# Altium PCB F4_PCB.PcbDoc (part 1 of 2) (continued)
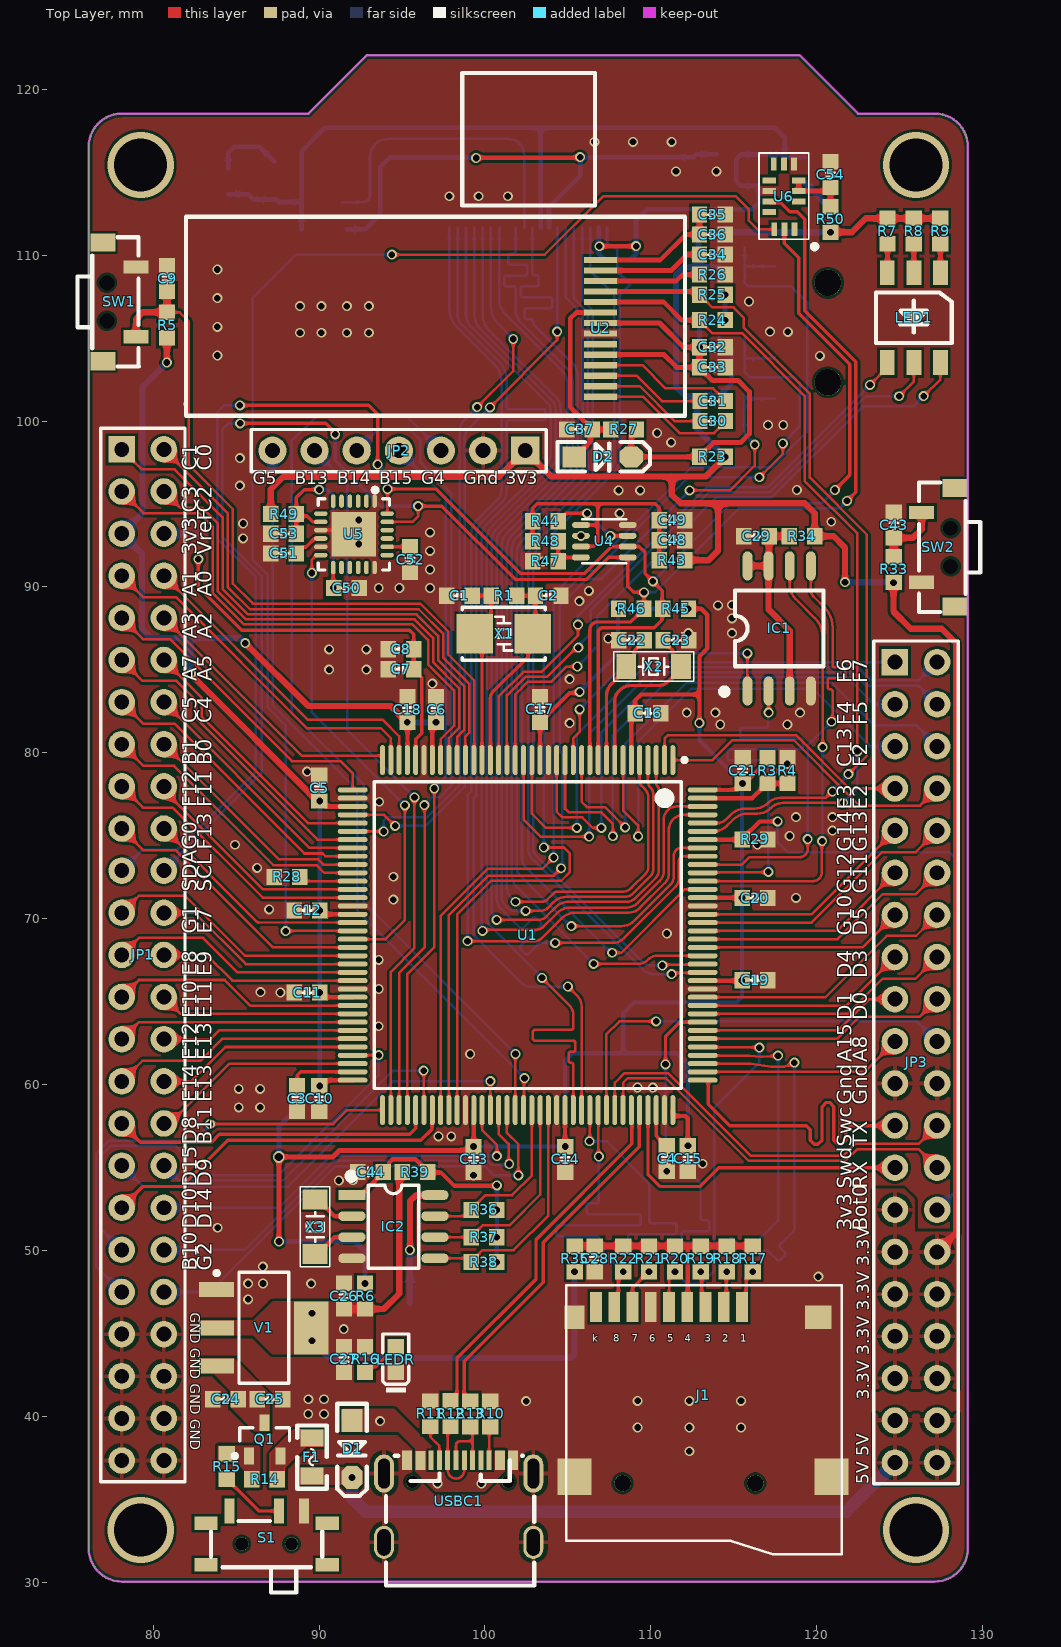
[diagram p0: Top Layer view]
## Footprints (in the part's own frame and the unit in brackets; to place one, negate y for a bottom-side part, rotate by r counter-clockwise, add the part's x,y. Pads: shape width x height; smd on the part's side, far side on the other; paste and mask are expansions set on the pad) (continued)
  silkscreen extent -10.67,-9.25 9.25,9.58, body extent -10,-10 10,10, height 1.6
"TSW 3*6*4.3-S-W" [mm] "侧立贴片3*6*4.3          淘宝ID:黄晶宝石"
  rect 1.1x1.5 smd: 0(-3.575,-0.25) 0(3.575,-0.25)
  round 0 hole 0.9: 0(-1.15,0) 0(1.15,0)
  rect 0.8x1.5 smd: 1(2.1,1.75) 2(-2.1,1.75)
  silkscreen extent -3.9,-1.78 3.9,1.91, body extent -3.9,-1.79 3.9,1.91, height 3.51
USB-C-SMD_TYPE-C-USB-5 [mm]
  oval 1.2x2 hole 0.8 slot 1.6 at 90 deg: 0(-4.5,-2.475) 0(4.5,-2.475)
  oval 1.2x2.3 hole 0.7 slot 1.8 at 90 deg: 0(-4.5,1.675) 0(4.5,1.675)
  rect 0.3x1.15 smd: A1(-3.263,2.473) A4(-2.462,2.471) A5(-1.162,2.475) A6(-0.162,2.475) A7(0.337,2.473) A9(2.638,2.475) A12(3.438,2.475) B1(3.138,2.475) B4(2.337,2.475) B5(1.838,2.475) B6(0.838,2.475) B7(-0.663,2.473) B9(-2.162,2.471) B12(-2.963,2.473)
  rect 0.3x1.148 smd: A8(-1.663,2.475) B8(1.337,2.475)
  round 0.75 hole 0.75 unplated: ""(-2.803,1.175) ""(2.978,1.175)
  silkscreen extent -4.38,-5.08 4.56,2.75, body extent -4.34,-5.14 4.6,2.76, height 3.25

## Part data
C1 C2 C3 C4 C5 C6 C7 C8 C9 C10 C11 C12 C13 C14 C15 C16 C17 C18 C19 C20 C21 C22 C23 C24 C25 C26 C27 C28 C29 C30 C31 C32 C33 C34 C35 C36 C37 C38 C39 C40 C41 C42 C43 C44 C45 C46 C47 C48 C49 C50 C51 C52 C53 C54: library part C, "贴片电容", BOM名称=无极性贴片电容, 封装库来自淘宝卖家ID：黄晶宝石=其他店铺购入均为盗版假冒封装库, 联系卖家，免费查找封装=唯一出售店铺网址https://shop463601444.taobao.com
CR1: library part CR-3V, "微型电池", BOM名称=微型电池, 联系卖家，免费查找封装=唯一出售店铺网址https://shop463601444.taobao.com
D1: "肖特基二极管", BOM名称=肖特基二极管, 属性=40V/1A, 联系卖家，免费查找封装=唯一出售店铺网址https://shop463601444.taobao.com
D2: "开关二极管", BOM名称=高速开关二极管, 联系卖家，免费查找封装=唯一出售店铺网址https://shop463601444.taobao.com
F1: library part FU, "贴片保险丝", BOM名称=贴片保险丝, 联系卖家，免费查找封装=唯一出售店铺网址https://shop463601444.taobao.com
IC1: library part W25Q, "SPI Flash", BOM名称=外置Flash, 联系卖家，免费查找封装=唯一出售店铺网址https://shop463601444.taobao.com
IC2: "实时时钟芯片", BOM名称=实时时钟芯片, 联系卖家，免费查找封装=唯一出售店铺网址https://shop463601444.taobao.com
J1: "TF卡座", BOM名称=TF卡座, 联系卖家，免费技术支持=唯一出售店铺网址https://shop463601444.taobao.com
JP1: library part "Header 25X2", "25*2P接插件", BOM名称=20*2P接插件, 封装库来自淘宝卖家 ID：黄晶宝石=其他店铺购入均为盗版假冒封装库, 联系卖家，免费查找封装=唯一出售店铺网址https://shop463601444.taobao.com
JP2: library part "Header 7", "7P接插件", BOM名称=7P接插件, 封装库来自淘宝卖家 ID：黄晶宝石=其他店铺购入均为盗版假冒封装库, 联系卖家，免费查找封装=唯一出售店铺网址https://shop463601444.taobao.com
JP3: library part "Header 20X2", "20*2P接插件", BOM名称=20*2P接插件, 封装库来自淘宝卖家 ID：黄晶宝石=其他店铺购入均为盗版假冒封装库, 联系卖家，免费查找封装=唯一出售店铺网址https://shop463601444.taobao.com
LED1: library part "LED-RGB 5050", "5050三基色LED", BOM名称=三基色LED, 封装库来自淘宝卖家 ID：黄晶宝石=其他店铺购入均为假冒，请立即申请退款，本店奖励2~5元现金
LEDR: library part LED-SMD, "贴片LED", BOM名称=贴片LED, 封装库来自淘宝卖家 ID：黄晶宝石=其他店铺购入均为假冒，请立即申请退款，本店奖励2~5元现金
Q1: "P沟道场效应管", BOM名称=P沟道场效应管, 联系卖家，免费查找封装=唯一出售店铺网址https://shop463601444.taobao.com
R1 R2 R3 R4 R5 R6 R7 R8 R9 R10 R11 R12 R13 R14 R15 R16 R17 R18 R19 R20 R21 R22 R23 R24 R25 R26 R27 R28 R29 R30 R31 R32 R33 R34 R35 R36 R37 R38 R39 R40 R41 R42 R43 R44 R45 R46 R47 R48 R49 R50 R51: library part R, "贴片电阻", BOM名称=贴片电阻, 封装库来自淘宝卖家ID：黄晶宝石=其他店铺购入均为盗版假冒封装库, 联系卖家，免费查找封装=唯一出售店铺网址https://shop463601444.taobao.com
S1: library part SSW-1P, "1路波动开关", BOM名称=波动开关, 联系卖家，免费查找封装=唯一出售店铺网址https://shop463601444.taobao.com
SW1 SW2: library part "TSW 3x6", "3x6轻触开关", BOM名称=3x6轻触开关, 联系卖家，免费查找封装=唯一出售店铺网址https://shop463601444.taobao.com
U1: "ARM Cortex-M4 32b MCU+FPU, 210DMIP, 1024 kB Flash, 192+4 kB RAM, Camera, 114 I/Os, 144-pin LQFP, -40 to +85癈, Tray", Operating Frequency (Processor Speed)=168MHz, 16-bit Timers (IC/OC/PWM)=12x16-bit(24/24/30), 32-bit Timer (IC/OC/PWM)="2x32-bit (8/8/8)", A/D Converter=24x12-bit, ComponentLink1Description="Manufacturer URL", ComponentLink1URL=http://www.st.com/, ComponentLink2Description="STM32F405/7 Datasheet", ComponentLink2URL=http://www.st.com/internet/com/TECHNICAL_RESOURCES/TECHNICAL_LITERATURE/DATASHEET/DM00037051.pdf, ComponentLink3Description="STM32F4 Web Page", ComponentLink3URL=http://www.st.com/internet/mcu/subclass/1521.jsp, D/A Converter=2x12-bit, DatasheetVersion="rev2, Jan-2012", Internal RAM=192kB, Other Timer Functions="2xWDG, RTC, 24-bit down counter", PackageDescription="144-Pin Low Profile Quad Flat Package, 20x20 mm Body, 0.5 mm Pitch", PackageReference=TQFP144, PackageVersion=2012, Serial Interface="3xSPI/2xI2S/2xI2C/3xUSART(IrDa, ISO7816)/3xUART/2xUSB OTG FS/HS, 2xCAN/Ethernet MAC10/100, SDIO", 联系卖家，免费查找封装=唯一出售店铺网址https://shop463601444.taobao.com
U3: "TI LDO"
USBC1: library part "USB2.0 Type-C 16Pin母座", "USB2.0 Type-C 母座 16Pin", 联系卖家，免费技术支持=唯一出售店铺网址https://shop463601444.taobao.com
V1: library part LD1117, "三端稳压芯片", BOM名称=稳压芯片, 封装库来自淘宝卖家 ID：黄晶宝石=其他店铺购入均为假冒，请立即申请退款，本店奖励2~5元现金
X1 X2 X3: library part XTAL-2P, "2脚无源脚晶振", BOM名称=2脚无源脚晶振, 联系卖家，免费查找封装=唯一出售店铺网址https://shop463601444.taobao.com
X4: library part XTAL-ACT-4P, "4脚有源晶振", BOM名称=4脚有源晶振, 联系卖家，免费查找封装=唯一出售店铺网址https://shop463601444.taobao.com

## Via types
v1: diameter 0.6, hole 0.4, Top Layer to Bottom Layer, tented both sides, 259 vias
v2: diameter 4, hole 3.2, Top Layer to Bottom Layer, tented both sides, 4 vias
v3: diameter 0.66, hole 0.406, Top Layer to Bottom Layer, tented both sides, 1 vias
v4: diameter 0.7, hole 0.5, Top Layer to Bottom Layer, tented both sides, 1 vias

## Nets (pads, with @x,y where several pads share a name; then routed paths per layer and width w, separated by ;. In a path a pad name is that pad's centre, name@x,y a point inside that pad or via, vN(x,y) a via of type N, cw(c..) or ccw(c..) an arc to the next point about the centre after c; other vN are vias at no path point)
BOOT0: JP3.28 R29.2 U1.138 | length 39.1
  Top Layer w0.254: U1.138@113.128,74.768 115.491,74.768 R29.2@115.506,74.784 115.506,74.809 116.567,75.87 v1(117.646,75.87)
  Bottom Layer w0.152: v1(117.646,75.87) 117.646,74.638 118.275,74.009 128.003,74.009 128.499,73.514 128.499,53.689 JP3.28@127.26,52.451
BOOT1: R28.2 U1.48 | length 3.3
  Top Layer w0.152: R28.2@88.832,72.517 89.081,72.268 U1.48@92.028,72.268
DCMI_D0: IM1.6 U1.96 | length 64.1
  Top Layer w0.152: v1(103.441,66.434) 105.078,64.797 cw(c104.474,64.194) 105.328,64.194 105.328,63.457 cw(c105.176,63.457) 105.176,63.305 103.025,63.305 ccw(c103.025,63.173) 102.893,63.173 102.893,62.776 ccw(c103.025,62.776) 103.025,62.644 105.328,62.644 cw(c105.328,62.512) 105.46,62.512 105.46,62.116 cw(c105.328,62.116) 105.328,61.984 105.175,61.984 ccw(c105.175,61.852) 105.043,61.852 105.043,61.455 ccw(c105.175,61.455) 105.175,61.323 cw(c105.176,61.171) 105.328,61.171 105.328,60.693 U1.96@105.328,58.468
  Bottom Layer w0.152: IM1.6@99.36,111.663 99.36,106.42 ccw(c100.541,106.42) 99.705,105.585 ; 99.706,105.584 104.034,101.256 cw(c103.486,100.708) 104.261,100.708 104.261,97.717 cw(c103.723,97.717) 104.103,97.336 100.472,93.705 ; 100.471,93.704 ccw(c101.366,92.811) 100.101,92.811 100.101,70.038 ccw(c100.704,70.038) 100.278,69.612 103.441,66.448 v1(103.441,66.434)
DCMI_D1: IM1.4 U1.97 | length 63.6
  Top Layer w0.152: v1(105.004,65.919) 105.584,65.338 ; 105.585,65.338 cw(c104.997,64.751) 105.828,64.751 U1.97@105.828,58.468
  Bottom Layer w0.152: IM1.4@98.36,111.663 98.36,106.42 ccw(c99.208,106.42) 98.608,105.82 100.873,103.555 cw(c99.793,102.474) 101.321,102.474 101.321,101.841 101.321,100.878 ccw(c101.473,100.878) 101.473,100.725 103.519,100.725 cw(c103.519,100.593) 103.651,100.593 103.651,100.197 cw(c103.519,100.197) 103.519,100.065 101.473,100.065 ccw(c101.473,99.912) 101.321,99.912 101.321,99.176 101.321,95.818 cw(c100.35,95.818) 101.037,95.132 ; 101.036,95.132 99.811,93.906 ccw(c100.582,93.136) 99.492,93.136 99.492,77.438 99.327,77.274 99.327,69.283 cw(c99.175,69.283) 99.326,69.267 ccw(c99.799,69.214) 99.528,68.823 99.537,68.814 102.218,66.133 ; 102.218,66.133 ccw(c102.781,66.696) 102.781,65.9 104.985,65.9 v1(105.004,65.919)
DCMI_D2: IM1.3 U1.141 | length 64
  Top Layer w0.152: v1(98.952,68.65) 102.989,68.65 ccw(c102.989,69.282) 103.436,68.835 ; 103.436,68.835 104.658,70.056 ; 104.658,70.057 cw(c105.405,69.309) 105.405,70.366 108.677,70.366 ccw(c108.677,71.288) 109.329,70.636 110.863,72.17 ccw(c110.322,72.711) 111.087,72.711 111.087,75.356 cw(c111.999,75.356) 111.999,76.268 U1.141@113.128,76.268
  Bottom Layer w0.152: IM1.3@97.86,111.663 97.86,106.778 ccw(c99.407,106.778) 98.313,105.684 100.541,103.456 cw(c99.41,102.325) 101.009,102.325 101.009,95.898 cw(c100.136,95.898) 100.754,95.28 99.523,94.049 ccw(c100.334,93.238) 99.187,93.238 99.187,77.686 98.952,77.451 v1(98.952,68.65)
DCMI_D3: IM1.5 U1.142 | length 64.5
  Top Layer w0.152: v1(99.856,69.269) 99.935,69.348 103.145,69.348 ccw(c103.145,69.855) 103.503,69.497 104.36,70.354 cw(c105.125,69.589) 105.125,70.671 108.548,70.671 ccw(c108.548,71.6) 109.205,70.943 110.53,72.268 cw(c110.647,72.17) 110.535,72.274 ccw(c109.869,72.899) 110.782,72.899 110.782,75.987 cw(c111.563,75.987) 111.563,76.768 U1.142@113.128,76.768
  Bottom Layer w0.152: IM1.5@98.86,111.663 98.86,106.42 ccw(c99.875,106.42) 99.157,105.702 103.818,101.041 cw(c103.486,100.708) 103.956,100.708 103.956,97.98 cw(c103.086,97.98) 103.701,97.365 100.136,93.8 ccw(c100.954,92.981) 99.797,92.981 99.797,69.328 v1(99.856,69.269)
DCMI_D4: IM1.7 U1.3 | length 63.1
  Top Layer w0.152: v1(100.711,69.933) 103.236,69.933 ccw(c103.236,70.589) 103.7,70.125 104.325,70.75 cw(c104.957,70.118) 104.957,71.012 108.5,71.012 ccw(c108.5,71.839) 109.085,71.254 110.299,72.468 ccw(c109.869,72.899) 110.477,72.899 110.477,77.803 ccw(c110.222,77.803) 110.403,77.983 cw(c110.583,78.163) 110.328,78.163 U1.3@110.328,79.568
  Bottom Layer w0.152: IM1.7@99.86,111.663 99.86,106.42 ccw(c101.208,106.42) 100.254,105.467 ; 100.254,105.467 104.341,101.38 cw(c103.799,100.838) 104.565,100.838 104.565,97.594 cw(c103.974,97.594) 104.392,97.176 100.674,93.457 ccw(c101.321,92.811) 100.406,92.811 100.406,70.549 ccw(c101.157,70.549) 100.44,70.324 ccw(c101.157,70.549) 100.626,70.017 v1(100.711,69.933)
DCMI_D5: IM1.9 U1.136 | length 64.1
  Top Layer w0.152: v1(104.235,68.548) 107.694,68.548 ccw(c107.694,69.536) 108.392,68.837 ; 108.392,68.837 111.474,71.919 ccw(c110.935,72.457) 111.697,72.457 111.697,73.465 cw(c111.999,73.465) 111.999,73.768 U1.136@113.128,73.768
  Bottom Layer w0.152: IM1.9@100.86,111.663 100.86,107.396 ccw(c102.241,107.396) 101.264,106.42 104.666,103.018 ; 100.889,93.242 ccw(c101.321,92.811) 100.711,92.811 100.711,71.284 ccw(c101.752,71.284) 101.016,70.549 101.632,69.933 102.106,69.459 ccw(c102.213,69.567) 102.321,69.459 102.9,70.038 cw(c102.994,69.945) 103.087,70.038 103.367,69.758 cw(c103.274,69.665) 103.367,69.571 102.152,68.356 ccw(c102.245,68.262) 102.152,68.169 102.432,67.889 ccw(c102.526,67.982) 102.619,67.889 103.213,68.483 cw(c103.372,68.323) 103.371,68.548 ; 100.89,93.242 104.749,97.101 ; 103.372,68.548 103.48,68.548 v1(104.235,68.548) ; 104.666,103.018 cw(c103.972,102.325) 104.953,102.325 104.953,97.594 cw(c104.255,97.594) 104.749,97.101
DCMI_D6: IM1.11 U1.4 | length 63.9
  Top Layer w0.152: v1(102.451,70.472) 103.365,70.472 ccw(c103.365,71.078) 103.793,70.649 ; 103.794,70.65 104.146,71.002 cw(c104.905,70.243) 104.905,71.317 108.411,71.317 ccw(c108.411,72.055) 108.933,71.533 109.989,72.59 ccw(c109.593,72.986) 110.153,72.986 110.153,77.482 ccw(c109.508,77.482) 109.965,77.938 ; U1.4@109.828,79.568 109.828,78.268 ccw(c110.294,78.268) 109.964,77.939
  Bottom Layer w0.152: IM1.11@101.86,111.663 101.86,110.871 101.86,110.249 cw(c101.707,110.249) 101.707,110.096 101.528,110.096 ccw(c101.528,109.964) 101.396,109.964 101.396,109.568 ccw(c101.528,109.568) 101.528,109.436 102.423,109.436 cw(c102.423,109.304) 102.555,109.304 102.555,108.908 cw(c102.423,108.908) 102.423,108.776 101.297,108.776 ccw(c101.297,108.643) 101.164,108.643 101.164,108.247 ccw(c101.297,108.247) 101.297,108.115 101.707,108.115 cw(c101.707,107.963) 101.86,107.963 101.86,107.887 101.86,106.68 ccw(c102.884,106.68) 102.159,105.956 ; 102.16,105.955 104.938,103.177 cw(c104.104,102.344) 105.283,102.344 105.283,97.474 cw(c104.632,97.474) 105.093,97.014 101.373,93.294 ccw(c102.235,92.432) 101.016,92.432 101.016,71.289 ccw(c101.745,71.289) 101.229,70.773 ccw(c101.956,71.5) 101.956,70.472 v1(102.451,70.472)
DCMI_D7: IM1.13 U1.5 | length 64
  Top Layer w0.152: v1(101.841,71.025) 103.464,71.025 ccw(c103.464,71.433) 103.753,71.144 104.142,71.533 cw(c104.371,71.303) 104.371,71.628 108.248,71.628 ccw(c108.248,72.468) 108.842,71.874 ; 108.843,71.874 109.704,72.736 ; U1.5@109.328,79.568 109.328,78.268 ccw(c109.676,78.268) 109.43,78.022 109.639,77.813 cw(c109.134,77.307) 109.849,77.307 109.849,73.084 cw(c109.356,73.084) 109.705,72.736
  Bottom Layer w0.152: 101.578,71.288 v1@101.835,71.031 ; 101.577,71.289 cw(c102.199,71.909) 101.321,71.909 101.321,92.351 cw(c102.43,92.351) 101.645,93.136 105.404,96.894 ; IM1.13@102.86,111.663 102.86,109.553 102.86,108.945 ccw(c103.012,108.945) 103.012,108.793 103.123,108.793 cw(c103.123,108.661) 103.255,108.661 103.255,108.265 cw(c103.123,108.265) 103.123,108.132 102.297,108.132 ccw(c102.297,108) 102.164,108 102.164,107.604 ccw(c102.297,107.604) 102.297,107.472 103.923,107.472 cw(c103.923,107.34) 104.055,107.34 104.055,106.944 cw(c103.923,106.944) 103.923,106.812 102.527,106.812 ccw(c102.527,106.68) 102.395,106.68 102.395,106.283 ccw(c102.527,106.283) 102.527,106.151 102.738,106.151 cw(c102.738,105.999) 102.889,106.021 102.892,105.999 ccw(c103.616,106.219) 102.92,105.923 ccw(c103.616,106.219) 103.081,105.684 105.309,103.456 cw(c104.637,102.783) 105.588,102.783 105.588,97.338 cw(c104.959,97.338) 105.404,96.894
DCMI_HSYNC: IM1.16 U1.40 | length 44
  Top Layer w0.152: U1.40@92.028,76.268 92.037,76.259 93.927,76.259 v1@94.59,75.597 ; v1@100.312,100.833 104.356,104.877 v1(104.356,105.397)
  Bottom Layer w0.152: v1(94.59,75.597) 96.428,75.597 98.781,77.949 98.781,98.972 cw(c99.576,98.972) 99.013,99.534 ; 99.014,99.534 v1(100.305,100.825) ; v1(104.356,105.397) 104.36,105.401 IM1.16@104.36,111.663
DCMI_PCLK: IM1.8 U1.42 | length 43.4
  Top Layer w0.152: U1.42@92.028,75.268 93.883,75.268 v1(93.891,75.26) ; v1(99.53,100.838) 101.708,103.016 v1(101.708,104.953)
  Bottom Layer w0.152: v1(93.891,75.26) 93.891,75.908 94.109,76.125 96.525,76.125 98.476,78.076 98.476,99.367 cw(c99.482,99.367) 98.77,100.079 v1(99.53,100.838) ; IM1.8@100.36,111.663 100.36,106.944 ccw(c101.911,106.944) 100.813,105.847 v1(101.708,104.953)
DCMI_PWDN: IM1.17 U1.124 | length 55.2
  Top Layer w0.152: v1(106.559,67.278) 109.229,67.278 ccw(c109.229,68.115) 109.821,67.523 cw(c110.412,66.932) 110.412,67.768 U1.124@113.128,67.768
  Bottom Layer w0.152: IM1.17@104.86,111.663 104.86,107.465 105.893,106.432 105.893,97.246 cw(c105.183,97.246) 105.685,96.744 101.899,92.958 ccw(c102.558,92.298) 101.625,92.298 101.625,72.608 ccw(c102.582,72.608) 101.906,71.932 v1(106.559,67.278)
DCMI_RESET: IM1.19 U1.132 | length 55
  Top Layer w0.152: v1(107.671,67.951) 108.223,67.951 112.04,71.768 U1.132@113.128,71.768
  Bottom Layer w0.152: IM1.19@105.86,111.663 105.86,107.327 106.502,106.685 106.502,96.982 cw(c105.541,96.982) 106.221,96.303 ; 106.221,96.302 102.501,92.582 ccw(c103.142,91.94) 102.235,91.94 102.235,73.635 ccw(c102.972,73.635) 102.451,73.114 107.613,67.951 v1(107.671,67.951)
DCMI_SCL: IM1.20 R31.1 U1.122 | length 54
  Top Layer w0.152: v1(111.258,66.656) 111.342,66.74 113.1,66.74 U1.122@113.128,66.768
  Bottom Layer w0.152: IM1.20@106.36,111.663 106.36,109.031 107.138,108.253 R31.1@107.163,108.253 107.81,107.605 107.81,97.717 cw(c106.991,97.717) 107.571,97.138 102.785,92.351 ccw(c103.196,91.94) 102.614,91.94 102.614,74.211 ccw(c103.493,74.211) 102.872,73.589 109.519,66.943 ccw(c110.214,67.638) 110.214,66.654 v1(111.258,66.656) v1(111.258,66.656)
DCMI_SDA: IM1.22 R32.1 U1.123 | length 53.7
  Top Layer w0.152: v1(110.693,67.183) 110.75,67.24 113.1,67.24 U1.123@113.128,67.268
  Bottom Layer w0.152: IM1.22@107.36,111.663 107.36,110.884 ccw(c107.626,110.884) 107.626,110.617 cw(c107.626,110.274) 107.969,110.274 107.969,109.015 108.349,108.635 108.349,108.61 R32.1@108.738,108.221 ; 107.795,96.913 103.18,92.298 ccw(c103.811,91.668) 102.919,91.668 102.919,74.211 ccw(c103.493,74.211) 103.087,73.805 109.467,67.425 ccw(c110.051,68.009) 110.051,67.183 v1(110.693,67.183) ; 107.795,96.913 ccw(c106.991,97.717) 108.128,97.717 108.128,107.586 108.349,107.808 108.349,107.833 R32.1@108.738,108.221 ; R32.1@108.763,108.221 R32.1@108.738,108.221
DCMI_VSYNC: IM1.18 U1.137 | length 56.3
  Top Layer w0.152: v1(105.213,69.558) 108.223,69.558 ccw(c108.223,70.665) 109.006,69.882 ; 109.006,69.882 111.179,72.055 ccw(c110.664,72.569) 111.392,72.569 111.392,73.819 cw(c111.841,73.819) 111.841,74.268 U1.137@113.128,74.268
  Bottom Layer w0.152: v1(105.213,69.558) 105.156,69.558 102.106,72.608 cw(c102.529,73.032) 101.93,73.032 101.93,92.061 cw(c102.99,92.061) 102.241,92.811 105.962,96.532 ; IM1.18@105.36,111.663 105.36,107.396 106.197,106.559 106.197,97.101 cw(c105.393,97.101) 105.962,96.532
DCMI_XCLK: IM1.12 X4.3 | length 19.1
  Bottom Layer w0.152: X4.3@91.371,113.206 92.664,113.206 ccw(c92.664,113.614) 93.072,113.614 93.072,115.91 cw(c94.173,115.91) 94.173,117.011 101.409,117.011 cw(c101.409,116.061) 102.36,116.061 IM1.12@102.36,111.663
DS_3.3: C44.2 IC2.1 R36.2 R37.2 R38.2 R39.2 | length 15.1
  Top Layer w0.254: IC2.1@91.985,53.342 92.437,53.35 92.54,53.352 92.614,53.426 93.53,54.374 93.536,54.374 93.874,54.731 94.212,55.069 94.212,55.277 94.434,55.5 95.811,55.5 96.555,54.756 R39.2@96.555,54.731 ; R39.2@96.555,54.706 97.351,54.706 98.158,53.899 100.698,53.899 v1(100.724,53.924)
  Bottom Layer w0.254: v1(100.717,49.289) 100.712,49.294 100.712,50.782 100.724,50.794 v1(100.724,53.924)
  other v1: 100.706,50.794 100.706,52.445
DS_CE: IC2.5 R38.1 U1.93 | length 14.5
  Top Layer w0.152: IC2.5@96.985,49.532 98.936,49.532 R38.1@99.166,49.301 99.166,49.326 99.86,50.02 101.734,50.02 103.828,52.114 U1.93@103.828,58.468
DS_IO: IC2.6 R37.1 U1.92 | length 12.5
  Top Layer w0.152: IC2.6@96.985,50.802 99.158,50.802 R37.1@99.166,50.794 99.166,50.819 99.881,51.534 101.502,51.534 103.328,53.36 U1.92@103.328,58.468
DS_SCLK: IC2.7 R36.1 U1.91 | length 10.8
  Top Layer w0.152: IC2.7@96.985,52.072 98.794,52.072 R36.1@99.166,52.445 99.166,52.47 100.03,53.334 101.644,53.334 102.828,54.517 U1.91@102.828,58.468
DVDD: C38.2 C41.2 IM1.15 U3.5 | length 31
  Top Layer w0.279: v1(99.473,115.862) 99.498,115.887 105.715,115.887 v1(105.74,115.913)
  Bottom Layer w0.279: C38.2@91.677,111.576 92.793,111.576 93.694,112.478 93.694,115.322 94.266,115.894 99.441,115.894 v1(99.473,115.862) ; IM1.15@103.86,111.663 103.86,112.902 105.74,114.783 v1(105.74,115.913) ; v1@105.653,115.913 112.536,115.913 C41.2@112.554,115.896 112.74,116.082 U3.5@113.963,116.082
GND: C1.2 C2.2 C3.1 C4.1 C5.2 C6.2 C7.1 C8.1 C9.2 C10.1 C11.1 C12.1 C13.1 C14.1 C15.1 C16.1 C17.1 C18.1 C19.1 C20.1 C21.1 C22.1 C23.1 C24.1 C25.1 C26.1 C27.1 C28.2 C29.2 C32.1 C33.1 C34.1 C35.1 C36.1 C37.1 C38.1 C39.1 C40.1 C41.1 C42.1 C43.1 C44.1 C45.1 C46.1 C47.1 C48.1 C49.1 C50.2 C51.1 C52.2 C53.1 C54.1 CR1.2 IC1.4 IC2.4 IM1.10 IM1.23 J1.6 J1.10 JP1.43 JP1.44 JP1.45 JP1.46 JP1.47 JP1.48 JP1.49 JP1.50 JP2.2 JP3.21 JP3.22 LEDR.2 R4.1 R10.2 R11.1 R26.1 R28.1 R29.1 R47.1 S1.3 SW1.2 SW2.2 SW3.0 SW3.C U1.16 U1.31 U1.38 U1.51 U1.61 U1.83 U1.94 U1.107 U1.120 U1.130 U2.7 U3.2 U3.4 U4.1 U4.7 U5.1 U5.9 U5.11 U5.18 U5.25 U6.6 U6.10 USBC1.0 USBC1.A1 USBC1.A12 USBC1.B1 USBC1.B12 V1.1 X4.2 | length 2.1
  Top Layer w0.203: U5.9@90.107,93.423 91.844,93.423 U5.25@92.094,93.174
  other v1: 112.323,37.897 109.211,39.332 112.323,39.332 115.434,39.332 89.351,40.143 90.296,40.143 102.488,40.915 109.211,40.932 112.323,40.932 115.434,40.932 89.36,41.034 90.296,41.034 85.725,47.056 85.725,48 86.624,48.014 89.527,48 120.1,48.425 86.614,49.026 83.89,51.371 91.199,54.223 92.042,54.235 99.314,54.534 110.96,54.767 113.128,55.23 97.199,56.885 97.972,56.885 85.16,58.633 86.449,58.633 85.16,59.747 86.449,59.747 109.201,59.824 110.126,59.822 99.11,61.849 93.594,63.518 87.665,65.557 86.472,65.576 93.599,65.768 93.599,67.518 110.973,69.107 86.993,70.566 94.48,71.15 118.753,71.258 94.48,72.531 86.27,73.071 84.938,74.46 116.424,74.47 118.372,74.988 120.956,75.311 118.753,76.126 120.956,76.126 93.629,77.053 89.281,78.864 118.237,79.335 114.186,81.711 118.237,81.711 105.105,81.788 112.166,82.427 113.896,82.427 118.996,82.427 96.828,84.169 105.105,84.449 90.609,85.014 92.856,85.014 90.609,86.239 92.856,86.239 107.434,86.896 112.268,87.218 114.897,87.218 114.897,88.112 114.052,88.892 114.897,88.913 105.695,89.147 106.271,89.771 93.601,89.935 94.843,89.935 96.691,89.935 96.691,91.055 103.492,91.527 96.691,92.174 92.404,92.588 85.427,92.933 105.792,93.086 96.691,93.294 85.427,93.828 120.879,93.933 92.404,94.037 108.127,94.444 108.062,95.828 109.354,95.828 118.803,95.847 85.23,96.112 85.23,97.772 111.228,98.717 110.38,99.284 117.064,99.763 117.985,99.763 120.193,103.937 83.871,103.958 88.856,105.327 90.137,105.327 91.677,105.327 93.003,105.327 117.183,105.391 118.262,105.376 83.871,105.686 88.849,106.928 90.137,106.928 91.677,106.928 93.003,106.928 115.919,107.208 83.871,107.415 83.871,109.144 97.86,113.557 99.622,113.557 101.384,113.557 111.519,115.056 113.951,115.056 106.597,116.834 108.928,116.834 111.258,116.834
IIC1_SCL: R24.2 U1.139 U2.10 | length 49.8
  Top Layer w0.152: R24.2@112.939,106.089 112.939,106.064 113.695,105.308 115.493,105.308 119.278,101.523 119.278,96.399 122.46,93.218 v1(122.46,80.093) ; U1.139@113.128,75.268 113.803,75.268 ccw(c113.803,76.35) 114.568,75.585 114.942,75.959 cw(c115.845,75.056) 115.845,76.333 116.426,76.333 ccw(c116.426,77.439) 117.208,76.657 cw(c117.99,75.875) 117.99,76.981 121.583,76.981 v1(121.596,76.994)
  Top Layer w0.279: U2.10@106.978,107.179 110.779,107.179 111.868,106.089 R24.2@112.939,106.089
  Bottom Layer w0.152: v1(121.596,76.994) 122.442,77.84 122.442,80.075 v1(122.46,80.093)
IIC1_SDA: R25.2 U1.140 U2.11 | length 50.2
  Top Layer w0.152: R25.2@112.939,107.625 112.939,107.6 113.327,107.211 113.352,107.211 113.706,106.858 114.989,106.858 115.602,106.245 115.602,105.631 119.59,101.643 119.59,96.59 123.019,93.161 123.019,79.819 v1(121.914,78.715) ; U1.140@113.128,75.768 114.01,75.768 ccw(c114.01,76.517) 114.539,75.987 ; 114.539,75.987 114.864,76.313 cw(c115.65,75.527) 115.65,76.638 116.229,76.638 ccw(c116.229,77.852) 117.088,76.994 cw(c117.793,76.289) 117.793,77.286 120.523,77.286 120.91,77.673 v1(120.956,77.673)
  Top Layer w0.279: U2.11@106.978,107.813 112.751,107.813 R25.2@112.939,107.625
  Bottom Layer w0.152: v1(120.956,77.673) 120.956,77.715 121.914,78.673 v1(121.914,78.715)
IIC2_SCL: JP1.22 R46.1 U1.11 U4.4 U5.23 U6.5 | length 113.8
  Top Layer w0.152: U5.23@94.106,93.923 95.638,93.923 95.974,94.259 v1(95.974,94.875)
  Top Layer w0.203: v1(85.242,99.866) 90.392,99.866 90.976,99.282 v1(90.976,99.2) ; v1(95.974,94.875) 97.403,94.875 101.823,90.455 106.128,90.455 107.459,91.786 U4.4@108.609,91.786 108.609,90.044 108.972,89.681 v1(109.588,89.681) ; U1.11@106.328,79.568 106.328,87.423 cw(c106.796,87.423) 106.796,87.891 108.793,87.891 109.203,88.302 109.228,88.302 109.592,88.665 R46.1@109.592,88.69 v1@109.592,89.681 ; U6.5@117.138,113.24 117.212,113.166 117.834,113.166 118.389,112.611 118.84,112.611 119.278,112.173 119.278,106.655 122.361,103.572 122.361,95.722 v1(121.831,95.193)
  Bottom Layer w0.152: JP1.22@80.645,72.898 86.544,78.797 86.544,90.666 84.163,93.047 84.163,99.492 84.538,99.866 v1(85.242,99.866) ; v1(109.588,89.681) 110.261,89.681 115.316,94.736 121.374,94.736 v1(121.831,95.193)
  Bottom Layer w0.203: v1(90.976,99.2) 90.976,97.631 93.732,94.875 v1(95.974,94.875)
IIC2_SDA: JP1.21 R45.1 U1.10 U4.3 U5.24 U6.2 | length 115.3
  Top Layer w0.152: U5.24@94.107,94.423 94.126,94.443 v1(94.126,95.904)
  Top Layer w0.203: v1(85.23,100.946) 92.983,100.946 93.529,100.4 v1(93.529,97.384) ; v1(94.126,95.904) 97.053,95.904 102.146,90.81 105.98,90.81 107.606,92.436 U4.3@108.609,92.436 109.308,92.436 109.652,92.092 109.652,90.811 v1(110.122,90.341) 110.684,89.779 110.684,88.015 110.205,87.536 107.083,87.536 ccw(c107.083,87.281) 106.828,87.281 U1.10@106.828,79.568 ; U6.2@118.052,111.563 118.052,110.732 118.923,109.861 118.923,106.507 122.005,103.425 122.005,96.751 v1(121.101,95.847)
  Bottom Layer w0.152: JP1.21@78.105,72.898 79.369,74.162 81.478,74.162 86.189,78.873 86.189,90.591 83.858,92.921 83.858,100.533 84.27,100.945 v1(85.23,100.946) v1(85.23,100.946) ; v1(110.122,90.341) 114.821,95.04 120.294,95.04 v1@121.101,95.847
  Bottom Layer w0.203: v1(93.529,97.384) 94.126,96.787 v1(94.126,95.904)
KEY_1: C43.2 R33.1 SW2.1 | length 4
  Top Layer w0.381: R33.1@124.65,91.829 C43.2@124.65,92.964 125.806,92.964 126.33,93.487 SW2.1@126.33,94.493
KEY_CH1: C47.2 R41.1 SW3.A U1.81 | length 57.2
  Top Layer w0.152: U1.81@97.828,58.468 97.828,70.218 100.205,72.595 104.146,72.595 v1(104.596,73.044) ; v1(112.338,95.828) 114.783,95.828 116.268,97.314 v1(116.268,98.584)
  Bottom Layer w0.152: v1(104.596,73.044) 104.675,73.123 104.675,79.938 104.514,80.099 104.514,88.867 106.128,90.481 107.004,90.481 112.338,95.815 v1(112.338,95.828) ; v1(116.268,98.584) 115.672,99.181 C47.2@115.672,100.292 R41.1@115.672,101.505 115.841,101.336 SW3.A@117.476,101.336
KEY_CH2: C46.2 R42.1 SW3.B U1.82 | length 73.3
  Top Layer w0.152: U1.82@98.328,58.468 98.328,70.248 100.37,72.29 104.602,72.29 105.124,72.812 105.124,73.927 104.756,74.295 v1(103.549,74.295)
  Bottom Layer w0.152: v1(103.549,74.295) 103.549,88.983 106.001,91.435 106.666,91.435 112.45,97.218 117.276,97.218 119.418,99.36 119.418,107.144 118.427,108.134 115.868,108.134 115.665,108.337 R42.1@115.665,109.258 ; C46.2@115.665,110.471 R42.1@115.665,109.258 ; SW3.B@117.476,109.336 115.743,109.336 R42.1@115.665,109.258
KEY_SW: C45.2 R40.1 SW3.S U1.80 | length 65
  Top Layer w0.152: U1.80@97.328,58.468 97.328,70.169 100.162,73.003 103.458,73.003 v1(104.146,73.692) ; v1(116.542,96.615) 117.958,98.031 v1(117.958,98.647)
  Bottom Layer w0.152: v1(104.146,73.692) 104.146,89.021 106.096,90.97 106.633,90.97 112.278,96.615 v1(116.542,96.615) ; R40.1@115.672,104.991 C45.2@115.672,103.778 ; SW3.S@117.476,103.861 117.394,103.778 C45.2@115.672,103.778 ; v1(117.958,98.647) 118.976,99.666 118.976,102.283 118.612,102.648 115.951,102.648 115.672,102.927 C45.2@115.672,103.778
MPU_3.3: C50.1 C53.2 R49.2 U5.8 U5.13 | length 13.2
  Top Layer w0.203: C53.2@88.632,93.212 88.632,94.397 88.632,95.394 89.11,95.872 v1(90.011,95.872) ; R49.2@88.633,94.399 88.757,94.275 89.284,94.275 89.621,93.938 90.092,93.938 U5.8@90.106,93.923 ; U5.13@90.856,91.174 90.856,89.954 v1(90.866,89.944)
  Bottom Layer w0.203: v1(90.011,95.872) 90.513,95.872 90.866,95.52 v1(90.866,89.944)
MPU_INT: U1.55 U5.12 | length 28.1
  Top Layer w0.152: v1(89.567,90.843) 89.567,91.644 89.846,91.923 U5.12@89.881,91.923 ; U1.55@92.028,68.768 94.009,68.768 95.175,69.933 v1(95.175,76.835)
  Bottom Layer w0.152: v1(89.567,90.843) 89.567,82.443 v1(95.175,76.835)
NetC1_1: C1.1 R1.1 U1.24 X1.2 | length 11.6
  Top Layer w0.203: C1.1@99.238,89.472 R1.1@100.373,89.472 100.373,88.166 X1.2@99.393,87.186 99.828,86.751 U1.24@99.828,79.568
NetC2_1: C2.1 R1.2 U1.23 X1.1 | length 12.1
  Top Layer w0.203: U1.23@100.328,79.568 100.328,83.319 cw(c100.828,83.319) 100.474,83.672 102.603,85.801 102.603,86.896 103.048,87.341 C2.1@103.048,89.472 R1.2@101.913,89.472
NetC3_2: C3.2 U1.71 | length 4.1
  Top Layer w0.203: C3.2@88.665,59.92 88.687,59.943 88.687,60.571 88.884,60.768 U1.71@92.028,60.768